# Altium PCB FPv1.3.PcbDoc (part 2 of 2)
Units mil, origin at the board's own origin, x right, y up, seen from the top; angles counter-clockwise.
Board outline 3200 x 2100 mil, 4 copper layers (Top Layer, GROUND PLANE, GROUND PLANE 2, Bottom Layer); 68 components, 152 nets, 617 pads, 312 vias.
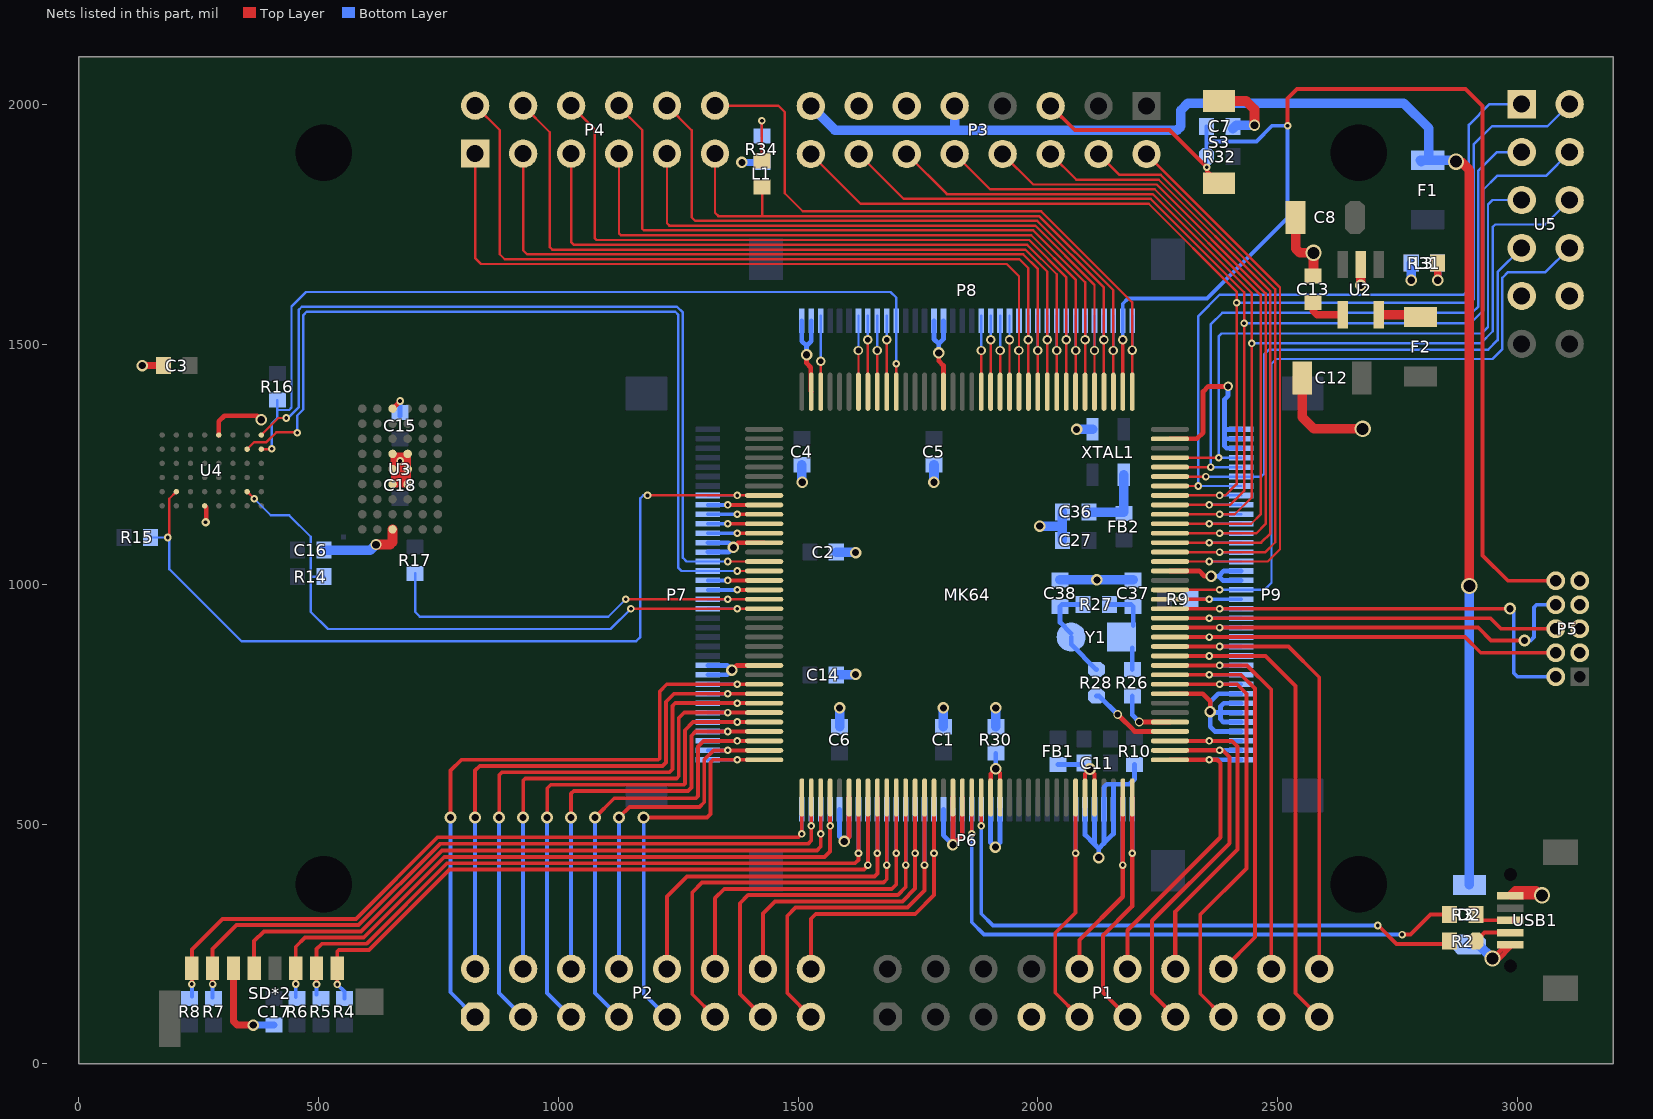
[diagram p4: the nets of this part, all layers, seen from the top]

## Via types
v1: diameter 15.87, hole 7.87, Top Layer to Bottom Layer, tented both sides, 212 vias
v2: diameter 24, hole 15, Top Layer to Bottom Layer, tented both sides, 37 vias
v3: diameter 19.68, hole 11.81, Top Layer to Bottom Layer, tented both sides, 31 vias
v4: diameter 25, hole 15, Top Layer to Bottom Layer, tented both sides, 12 vias
v5: diameter 34, hole 25, Top Layer to Bottom Layer, tented both sides, 11 vias
v6: diameter 18, hole 13, Top Layer to Bottom Layer, tented both sides, 4 vias
v7: diameter 23.62, hole 15.75, Top Layer to Bottom Layer, tented both sides, 3 vias
v8: diameter 17.83, hole 7.87, Top Layer to Bottom Layer, tented both sides, 1 vias
v9: diameter 20, hole 13, Top Layer to Bottom Layer, tented both sides, 1 vias

## Nets (pads, with @x,y where several pads share a name; then routed paths per layer and width w, separated by ;. In a path a pad name is that pad's centre, name@x,y a point inside that pad or via, vN(x,y) a via of type N, cw(c..) or ccw(c..) an arc to the next point about the centre after c; other vN are vias at no path point) (continued)
ANALOG8: MK64.30 P1.9 P6.7 | length 587.4
  Top Layer w8: MK64.30@2078.74,555.28 2078.74,314.96 2036.42,272.64 2036.42,148.23 P1.9@2086.81,97.83
  Bottom Layer w8: v1(2078.74,438.98) 2078.74,479.33 P6.7@2078.74,530.51
ANALOG9: MK64.35 P1.10 P6.2 | length 511
  Top Layer w9: P1.10@2086.81,197.83 2086.81,258.07 2177.16,348.42 MK64.35@2177.16,555.28
  Bottom Layer w9: v1(2177.17,414.37) P6.2@2177.17,530.51
ANALOG10: MK64.36 P1.11 P6.1 | length 595.5
  Top Layer w9: P1.11@2186.81,97.83 2186.61,97.83 2135.83,148.62 2135.83,267.72 2196.85,328.74 MK64.36@2196.85,555.28
  Bottom Layer w9: v1(2196.85,438.98) P6.1@2196.85,530.51
ANALOG11: MK64.37 P1.12 P9.36 | length 684.8
  Top Layer w9: P1.12@2186.81,197.83 2186.81,278.35 2380.91,472.44 2380.91,626.97 2374.02,633.86 MK64.37@2275.43,633.86
  Bottom Layer w9: v1(2357.28,633.86) P9.36@2424.21,633.86
ANALOG12: MK64.38 P1.13 P9.35 | length 804.1
  Top Layer w9: MK64.38@2275.43,653.54 2385.83,653.54 2399.61,639.76 2399.61,459.65 2238.19,298.23 2238.19,146.46 P1.13@2286.81,97.83
  Bottom Layer w9: v1(2378.94,653.54) P9.35@2424.21,653.55
ANALOG13: MK64.39 P1.14 P9.34 | length 730
  Top Layer w9: MK64.39@2275.43,673.23 2404.53,673.23 2416.34,661.42 2416.34,446.85 2286.81,317.32 P1.14@2286.81,197.83
  Bottom Layer w9: v1(2357.28,673.23) P9.34@2424.21,673.23
AVDD: C11.1 FB1.2 MK64.31 MK64.32 | length 177.1
  Top Layer w9: MK64.31@2098.42,555.28 2098.42,604.33 v4(2108.27,614.17) 2118.11,604.33 MK64.32@2118.11,555.28
  Bottom Layer w10: FB1.2@2042.32,624.02 C11.1@2093.5,624.02
BE23_16: MK64.123 P7.22 U4.A1 | length 1797.7
  Top Layer w5: U4.A1@380.91,1311.02 416.34,1346.46 v1(433.07,1346.46) ; v1(1353.35,1047.24) MK64.123@1429.29,1047.24
  Bottom Layer w5: v1(433.07,1346.46) 436.39,1346.46 458.66,1368.73 458.66,1571.85 465.39,1578.58 1247.57,1578.58 1259.84,1566.31 1259.84,1055.12 1267.72,1047.24 P7.22@1312.01,1047.24 v1(1353.35,1047.24)
BE31_24: MK64.124 P7.21 U4.B2 | length 1866.3
  Top Layer w5: U4.B2@351.38,1281.5 366.14,1296.26 391.73,1296.26 412.4,1316.93 454.72,1316.93 v1(455.71,1315.94) ; v1(1373.03,1027.56) MK64.124@1429.29,1027.56
  Bottom Layer w5: v1(455.71,1315.94) 455.71,1351.64 468.66,1364.59 468.66,1561.18 475.39,1567.91 1244.09,1567.91 1249.84,1562.17 1249.84,1034.61 1256.89,1027.56 P7.21@1312.01,1027.56 v1(1373.03,1027.56)
FB_CS2: MK64.125 P7.20 | length 117.3
  Top Layer w8: v1(1353.35,1007.87) MK64.125@1429.29,1007.87
  Bottom Layer w8: P7.20@1312.01,1007.87 v1(1353.35,1007.87)
FB_RW: MK64.116 P7.29 R15.1 U4.G5 | length 1863.2
  Top Layer w5: v1@188.98,1097.44 188.98,1178.15 U4.G5@203.74,1192.91 ; v1(1186.02,1185.04) MK64.116@1429.29,1185.04
  Bottom Layer w5: R15.1@149.61,1097.44 v1(186.02,1097.44) ; v1@188.98,1097.44 188.98,1031.5 339.57,880.91 1162.4,880.91 1171.26,889.76 1171.26,1179.13 1177.17,1185.04 v1(1186.02,1185.04) ; P7.29@1312.01,1185.04 v1(1373.03,1185.04)
FTM0_CH3: MK64.58 P3.2 P9.15 | length 1246.5
  Top Layer w5: P3.2@2226.61,1897.05 2504.92,1618.74 2504.92,1072.83 2479.33,1047.24 MK64.58@2275.43,1047.24
  Bottom Layer w5: v1(2357.28,1047.24) P9.15@2424.21,1047.25
FTM0_CH4: MK64.59 P3.4 P9.14 | length 1285.7
  Top Layer w5: P3.4@2126.61,1897.05 2170.31,1853.35 2256.17,1853.35 2494.92,1614.6 2494.92,1087.44 2474.41,1066.93 MK64.59@2275.43,1066.93
  Bottom Layer w5: v1(2378.94,1066.93) P9.14@2424.21,1066.93
FTM1_QDA: MK64.60 P3.6 P9.13 | length 1365.9
  Top Layer w5: P3.6@2026.61,1897.05 2080.31,1843.35 2252.03,1843.35 2484.92,1610.46 2484.92,1105.98 2465.55,1086.61 MK64.60@2275.43,1086.61
  Bottom Layer w5: v1(2357.28,1086.61) P9.13@2424.21,1086.62
FTM1_QDB: MK64.61 P3.8 P9.12 | length 1402.3
  Top Layer w5: P3.8@1926.61,1897.05 1990.31,1833.35 2247.89,1833.35 2474.92,1606.31 2474.92,1125.51 2455.71,1106.3 MK64.61@2275.43,1106.3
  Bottom Layer w5: v1(2378.94,1106.3) P9.12@2424.21,1106.3
FTM2_QDA: MK64.62 P3.10 P9.11 | length 1500.8
  Top Layer w5: P3.10@1846.06,1897.05 P3.10@1826.61,1897.05 1900.31,1823.35 2243.75,1823.35 2464.92,1602.17 2464.92,1146.02 2444.88,1125.98 MK64.62@2275.43,1125.98
  Bottom Layer w5: v1(2357.28,1125.98) P9.11@2424.21,1125.99
FTM3_CH1: MK64.9 P2.10 P6.28 | length 859.5
  Top Layer w8: P2.10@1226.81,197.83 1226.81,348.86 1268.7,390.75 1659.45,390.75 1665.35,396.65 MK64.9@1665.35,555.28
  Bottom Layer w8: v1(1665.35,438.98) 1665.35,479.33 P6.28@1665.36,530.51
FTM3_CH2: MK64.10 P2.11 P6.27 | length 982.5
  Top Layer w8: P2.11@1326.81,97.83 1279.53,145.12 1279.53,357.28 1299.99,377.75 1677.94,377.75 1685.04,384.84 MK64.10@1685.04,555.28
  Bottom Layer w8: v1(1685.04,414.37) 1685.04,479.33 P6.27@1685.04,530.51
FTM3_CH3: MK64.11 P2.12 P6.26 | length 810.1
  Top Layer w8: P2.12@1326.81,197.83 1326.81,345.35 1346.21,364.75 1695.46,364.75 1704.72,374.02 MK64.11@1704.72,555.28
  Bottom Layer w8: v1(1704.72,438.98) 1704.72,479.33 P6.26@1704.73,530.51
FTM3_CH4: MK64.12 P2.13 P6.25 | length 919.3
  Top Layer w8: P2.13@1426.81,97.83 1378.94,145.71 1378.94,334.65 1396.04,351.75 1708.05,351.75 1724.41,368.11 MK64.12@1724.41,555.28
  Bottom Layer w8: v1(1724.41,414.37) 1724.41,479.33 P6.25@1724.41,530.51
FTM3_CH5: MK64.13 P2.14 P6.24 | length 736.1
  Top Layer w8: P2.14@1426.81,197.83 1426.81,313.62 1451.77,338.58 1717.52,338.58 1744.09,365.16 MK64.13@1744.09,555.28
  Bottom Layer w8: v1(1744.09,438.98) 1744.09,479.33 P6.24@1744.1,530.51
FTM3_CH6: MK64.14 P2.15 P6.23 | length 849.4
  Top Layer w8: P2.15@1526.81,97.83 1477.36,147.28 1477.36,308.07 1494.87,325.58 1728.14,325.58 1763.78,361.22 MK64.14@1763.78,555.28
  Bottom Layer w8: v1(1763.78,414.37) 1763.78,479.33 P6.23@1763.78,530.51
FTM3_CH7: MK64.15 P2.16 P6.22 | length 676.8
  Top Layer w8: P2.16@1526.81,197.83 1526.81,302.4 1536.99,312.58 1744.35,312.58 1783.46,351.69 MK64.15@1783.46,555.28
  Bottom Layer w8: v1(1783.46,438.98) 1783.46,479.33 P6.22@1783.47,530.51
GND: C1.1 C2.1 C3.1 C4.1 C5.1 C6.1 C7.1 C8.2 C12.2 C13.1 C14.2 C15.1 C16.1 C17.1 C18.1 C27.1 C36.1 C37.1 C38.1 MK64.6 MK64.17 MK64.18 MK64.44 MK64.57 MK64.71 MK64.93 MK64.107 MK64.121 MK64.134 P1.7 P1.17 P3.11 P3.13 P5.3 P5.5 P5.7 P5.9 P6.3 P6.4 P6.5 P6.6 P6.15 P6.16 P6.19 P6.20 P6.21 P6.31 P6.32 P7.10 P7.11 P7.23 P7.24 P8.1 P8.2 P8.15 P8.16 P9.1 P9.2 P9.3 P9.16 P9.17 P9.29 P9.30 P9.31 P9.32 P9.33 R10.1 R30.1 R31.1 R34.1 S3.1 SD*2.6 U2.2 U3.A3 U3.D3 U3.D4 U3.E3 U3.E4 U3.F3 U3.F4 U3.J3 U4.D1 U4.E6 U5.9 U5.10 USB1.5 XTAL1.2 | length 5717.9
  Top Layer w10: U4.E6@262.8,1163.39 265.97,1160.21 265.97,1132.11 264.76,1130.91 v8(264.76,1128.94) ; U4.D1@292.32,1311.02 292.32,1339.57 304.13,1351.38 372.05,1351.38 v7(380.91,1342.52) ; U3.F3@654.53,1208.66 U3.F3@659.22,1213.35 ; U3.D3@654.53,1271.65 657.48,1268.7 659.22,1266.96 669.78,1256.4 v1@670.28,1255.91 ; U3.A3@654.53,1366.14 v1(670.28,1381.89) ; U3.E3@657.48,1243.11 U3.E3@654.53,1240.16 659.22,1235.47 670.28,1224.41 ; U3.D4@681.33,1266.96 U3.D4@686.02,1271.65 ; v2(1362.2,820.87) 1372.05,830.71 MK64.134@1429.29,830.71 ; v2(1365.16,1076.77) 1375,1086.61 MK64.121@1429.29,1086.61 ; v2(1517.72,1478.35) 1517.72,1460.63 1526.57,1451.77 1526.57,1402.4 MK64.107@1527.56,1401.42 ; v2(1596.46,463.58) 1606.3,473.43 MK64.6@1606.3,555.28 ; v2(1793.31,1482.28) 1793.31,1465.55 1803.15,1455.71 MK64.93@1803.15,1401.42 ; MK64.17@1822.83,555.28 v2(1822.83,456.69) 1842.52,476.37 MK64.18@1842.52,555.28 ; MK64.44@2275.43,771.65 2343.5,771.65 2359.25,755.91 v2(2359.25,734.25) ; MK64.57@2275.43,1027.56 2336.61,1027.56 2347.44,1016.73 v2(2361.22,1016.73) ; MK64.71@2275.43,1303.15 2331.69,1303.15 2344.49,1315.94 2344.49,1401.57 2355.31,1412.4 v9(2396.65,1412.4)
  Top Layer w15: v2(132.87,1455.71) C3.1@177.17,1455.71 ; SD*2.6@322.72,199.29 322.72,88.7 330.71,80.71 v2(364.17,80.71) ; U3.F3@654.53,1208.66 U3.F4@686.02,1208.66 ; U3.D3@657.48,1268.7 U3.E3@657.48,1243.11 ; U3.E3@659.22,1235.47 659.22,1213.35 670.28,1224.41 ; U3.D3@659.22,1266.96 681.33,1266.96 v1@670.28,1255.91 ; U3.D4@686.02,1271.65 U3.E4@686.02,1240.16 ; v5@3050.2,350.39 USB1.5@2985.24,350.39 2985.24,353.35 2995.08,363.19 3039.37,363.19 v5(3051.18,351.38) ; U3.E3@657.48,1243.11 660.43,1240.16 U3.E4@686.02,1240.16 ; U3.E3@657.48,1243.11 v1@670.28,1255.91 ; 670.28,1224.41 U3.F4@686.02,1208.66 ; 670.28,1224.41 U3.E4@686.02,1240.16 ; v1@670.28,1255.91 U3.E4@686.02,1240.16 ; U3.F4@686.02,1208.66 U3.E4@686.02,1240.16
  Top Layer w20: v7(620.08,1082.68) 649.61,1082.68 654.53,1087.6 U3.J3@654.53,1114.17 ; S3.1@2377.95,2007.52 2434.41,2007.52 2451.77,1990.16 v7(2451.77,1956.69) ; C8.2@2537.4,1764.76 2537.4,1699.8 2546.26,1690.94 v5(2574.8,1690.94) C13.1@2574.8,1643.7 ; C12.2@2551.18,1430.12 2551.18,1348.43 2575.79,1323.82 v5(2677.17,1323.82) ; v2(2673.23,1623.03) U2.2@2673.23,1666.5
  Bottom Layer w10: C15.1@670.28,1350.39 v1(670.28,1381.89) ; P7.10@1312.01,811.02 1352.36,811.02 v2(1362.2,820.87) 1352.36,830.71 P7.11@1312.01,830.71 ; P7.23@1312.01,1066.93 1355.31,1066.93 v2(1365.16,1076.77) 1355.32,1086.61 P7.24@1312.01,1086.61 ; P8.1@1507.87,1549.21 1507.87,1506.89 1517.72,1497.05 ; v2(1517.72,1478.35) 1517.72,1497.05 ; P8.2@1527.56,1549.21 1527.56,1506.89 1517.72,1497.05 ; P6.32@1586.62,530.51 1586.62,473.42 v2(1596.46,463.58) 1606.3,473.43 P6.31@1606.3,530.51 ; P8.15@1783.46,1549.21 1783.46,1510.83 1793.31,1500.98 ; v2(1793.31,1482.28) 1793.31,1500.98 ; P6.21@1803.15,530.51 1803.15,476.38 v2(1822.83,456.69) ; P8.16@1803.15,1549.21 1802.99,1549.06 1802.99,1510.67 1793.31,1500.98 ; P6.20@1822.84,530.51 v2(1822.83,456.69) ; P6.19@1842.52,530.51 1842.52,476.38 v2(1822.83,456.69) ; P6.16@1901.58,530.51 1901.58,461.61 v2(1911.42,451.77) 1921.26,461.62 P6.15@1921.26,530.51 ; P6.6@2098.43,530.51 2098.43,477.36 2118.11,457.68 ; P6.5@2118.11,530.51 2118.11,457.68 ; v2(2126.97,430.12) 2126.97,448.82 ; 2157.48,578.74 P6.3@2157.48,530.51 2157.48,479.33 2137.8,459.65 ; R10.1@2201.77,624.02 2201.77,593.5 2190.94,582.68 2143.7,582.68 2137.8,576.77 P6.4@2137.8,530.51 2137.8,459.65 ; v2@2361.22,732.29 2380.91,732.29 ; v2(2361.22,1016.73) 2376.97,1016.73 ; v9(2396.65,1412.4) 2396.65,1392.72 2389.47,1385.53 2389.47,1326.08 ; P9.33@2424.21,692.92 2369.09,692.92 2359.25,702.76 v2(2359.25,734.25) 2359.25,754.92 2375.99,771.66 P9.29@2424.21,771.66 ; P9.32@2424.21,712.6 2386.81,712.6 2380.91,718.5 2380.91,732.29 ; P9.31@2424.21,732.29 2380.91,732.29 ; P9.30@2424.21,751.97 2387.8,751.97 2380.91,745.08 2380.91,732.29 ; P9.17@2424.21,1007.88 2385.83,1007.88 2376.97,1016.73 ; P9.16@2424.21,1027.56 2387.8,1027.56 2376.97,1016.73 ; P9.3@2424.21,1283.47 2393.4,1283.47 2389.47,1287.4 2389.47,1306.4 ; P9.2@2424.21,1303.15 2392.72,1303.15 2389.47,1306.4 ; P9.1@2424.21,1322.84 2392.72,1322.84 2389.47,1326.08 ; 2118.11,457.68 2126.97,448.82 ; 2126.97,448.82 2137.8,459.65 ; 2389.47,1306.4 2389.47,1326.08
  Bottom Layer w15: v2(364.17,80.71) C17.1@407.48,80.71 ; C18.1@670.28,1234.25 v1(670.28,1256.89) ; v2(1382.87,1879.41) R34.1@1424.7,1879.41
  Bottom Layer w20: C16.1@506.89,1070.87 608.27,1070.87 v7(620.08,1082.68) ; v2@1507.87,1212.6 C4.1@1507.87,1249.02 ; C14.2@1579.72,811.02 v2@1619.09,811.02 ; C2.1@1579.72,1066.93 v2@1619.09,1066.93 ; C6.1@1586.61,702.76 v2(1586.61,742.13) ; v2(1783.46,1212.6) C5.1@1783.46,1249.02 ; C1.1@1803.15,702.76 v2(1803.15,742.13) ; R30.1@1912.4,702.76 v2(1912.4,742.13) ; v2(2003.94,1121.06) 2051.18,1121.06 ; C38.1@2046.26,1008.86 C37.1@2198.82,1008.86 ; C27.1@2051.18,1091.54 2051.18,1121.06 ; C36.1@2051.18,1150.59 2051.18,1121.06 ; v2(2080.71,1322.84) XTAL1.2@2114.15,1322.84 ; C7.1@2406.5,1949.8 2413.39,1956.69 v7(2451.77,1956.69) ; v2(2778.54,1633.86) R31.1@2778.54,1669.29
  other v2: 1620.08,812.01 2123.03,1008.86 1620.08,1065.94 1508.86,1212.6
JTAG_TCK: MK64.50 P5.4 P9.23 | length 885
  Top Layer w8: MK64.50@2275.43,889.76 2890.75,889.76 2923.43,857.09 P5.4@3079.92,857.09
  Bottom Layer w8: v1(2357.28,889.76) P9.23@2424.21,889.77
JTAG_TDI: MK64.51 P5.8 P9.22 | length 927.8
  Top Layer w8: MK64.51@2275.43,909.45 2918.31,909.45 2944.88,882.87 v4(3014.76,882.87)
  Bottom Layer w8: v1(2378.94,909.45) P9.22@2424.21,909.45 ; v4(3014.76,882.87) 3027.56,882.87 3034.45,889.76 3034.45,951.77 3039.76,957.09 P5.8@3079.92,957.09
JTAG_TDO: MK64.52 P5.6 P9.21 | length 880.6
  Top Layer w8: MK64.52@2275.43,929.13 2943.9,929.13 2965.94,907.09 P5.6@3079.92,907.09
  Bottom Layer w8: v1(2357.28,929.13) P9.21@2424.21,929.14
JTAG_TMS: MK64.53 P5.2 P9.20 | length 982.3
  Top Layer w8: MK64.53@2275.43,948.82 v4(2984.25,948.82)
  Bottom Layer w8: v1(2378.94,948.82) P9.20@2424.21,948.82 ; v4(2984.25,948.82) 2992.13,940.94 2992.13,814.96 3000,807.09 P5.2@3079.92,807.09
LPTMR0: MK64.73 P4.12 P8.36 | length 1397.2
  Top Layer w5: P4.12@1326.81,1997.83 1458.86,1997.83 1472.44,1984.25 1472.44,1814.96 1509.84,1777.56 2006.89,1777.56 2196.85,1587.6 MK64.73@2196.85,1401.42
  Bottom Layer w5: v3@2196.85,1488.19 P8.36@2196.85,1560.04
  other v3: 2196.85,1488.19
N_RST: C7.2 MK64.74 P3.5 P5.10 P8.35 R32.2 S3.2 | length 3086.1
  Top Layer w5: v3(2177.17,1509.89) v3@2177.17,1513.78
  Top Layer w8: P3.5@2026.61,1997.05 2076.81,1946.85 2274.61,1946.85 v1(2352.36,1869.09) 2352.36,1861.85 S3.2@2377.95,1836.26 ; MK64.74@2177.16,1401.42 v3(2177.17,1509.89) ; v1(2520.67,1955.71) 2520.67,2012.8 2540.35,2032.48 2891.73,2032.48 2927.17,1997.05 2927.17,1060.04 2980.12,1007.09 P5.10@3079.92,1007.09
  Bottom Layer w5: R32.2@2351.38,1896.46 2351.14,1896.22 2352.36,1895 v1(2352.36,1869.09)
  Bottom Layer w8: v3(2177.17,1509.89) P8.35@2177.16,1549.21 2177.16,1584.64 2187.99,1595.47 2352.36,1595.47 2520.67,1763.78 v1(2520.67,1955.71) 2488.19,1955.71 2455.61,1923.13 2351.38,1923.13 ; R32.2@2351.38,1896.46 2351.38,1923.13 ; C7.2@2351.38,1954.72 2351.38,1923.13
NetC13_2: C13.2 U2.4 | length 65.3
  Top Layer w15: 2573.82,1569.88 2581.85,1561.85 U2.4@2635.83,1561.85
NetC36_2: C36.2 FB2.2 XTAL1.4 | length 151.5
  Bottom Layer w20: C36.2@2106.3,1149.61 2179.13,1149.61 XTAL1.4@2179.13,1228.32
NetC37_2: C37.2 R26.1 R27.1 Y1.1 | length 130.7
  Bottom Layer w10: R27.1@2149.61,957.68 C37.2@2194.88,957.68 ; R26.1@2196.85,821.85 Y1.1@2196.85,867.52 ; Y1.1@2198.82,913.98 C37.2@2198.82,953.74
NetC38_2: C38.2 R27.2 R28.1 Y1.2 | length 199.5
  Bottom Layer w10: C38.2@2046.26,953.74 2046.26,920.28 Y1.2@2068.9,897.64 ; C38.2@2050.2,957.68 R27.2@2094.49,957.68 ; Y1.2@2069.49,889.76 2069.49,874.41 R28.1@2122.05,821.85
NetF2_1: F2.1 U2.5 | length 82.8
  Top Layer w20: U2.5@2710.63,1561.85 F2.1@2793.46,1561.85
NetL1_2: L1.2 R34.2 | length 114.7
  Top Layer w5: L1.2@1424.7,1882.87 v1(1424.7,1966.05)
  Bottom Layer w5: R34.2@1424.7,1934.53 v1(1424.7,1966.05)
NetL3_2: L3.2 R31.2 | length 70.9
  Top Layer w15: v2(2833.66,1633.86) L3.2@2833.66,1669.29
  Bottom Layer w15: v2(2833.66,1633.86) R31.2@2833.66,1669.29
NetMK64_21: MK64.21 MK64.22 R30.2 | length 160.4
  Top Layer w9: MK64.21@1901.57,555.28 1901.57,604.33 v2(1912.4,615.16) 1921.26,606.3 MK64.22@1921.26,555.28
  Bottom Layer w9: v2(1912.4,615.16) R30.2@1912.4,647.64
NetMK64_40: MK64.40 R28.2 | length 184
  Top Layer w10: v6(2166.34,728.35) 2201.77,692.91 MK64.40@2275.43,692.91
  Bottom Layer w10: R28.2@2122.05,766.73 2127.95,766.73 v6(2166.34,728.35)
NetMK64_41: MK64.41 R26.2 | length 124.1
  Top Layer w10: v6(2211.61,712.6) MK64.41@2275.43,712.6
  Bottom Layer w10: R26.2@2196.85,766.73 2196.85,727.36 v6(2211.61,712.6)
NetR2_2: R2.2 USB1.2 | length 79.2
  Top Layer w8: R2.2@2913.39,255.91 2931.1,273.62 USB1.2@2985.24,273.62
NetR3_2: R3.2 USB1.3 | length 76.7
  Top Layer w8: R3.2@2913.39,311.02 2925.2,299.21 USB1.3@2985.24,299.21
PTA4: MK64.54 P9.19 R9.2 | length 187.2
  Top Layer w8: MK64.54@2275.43,968.5 v1(2357.28,968.5)
  Bottom Layer w8: R9.2@2318.9,968.5 v1(2357.28,968.5) P9.19@2424.21,968.51
PTA5: MK64.55 P9.18 U5.8 | length 1483.3
  Top Layer w5: MK64.55@2275.43,988.19 v1(2378.94,988.19)
  Bottom Layer w5: v1(2378.94,988.19) P9.18@2424.21,988.19 2472.44,988.19 2487.2,1002.95 2487.2,1459.65 2497.05,1469.49 2947.83,1469.49 2968.62,1490.28 2968.62,1638.9 2980.31,1650.59 3058.46,1650.59 U5.8@3108.86,1700.98
PTA11: MK64.63 P3.12 P9.10 U5.6 | length 2410
  Top Layer w5: P3.12@1726.61,1897.05 1810.31,1813.35 2239.6,1813.35 2445.87,1607.08 2445.87,1181.1 2410.43,1145.67 MK64.63@2275.43,1145.67
  Bottom Layer w5: v1(2378.94,1145.67) P9.10@2424.21,1145.67 ; v1(2445.87,1501.97) 2923.23,1501.97 2948.62,1527.36 2948.62,1744.88 2953.74,1750 3057.87,1750 U5.6@3108.86,1800.98
PTA12: MK64.64 P3.14 P9.9 U5.4 | length 2544.9
  Top Layer w5: P3.14@1626.61,1897.05 1720.31,1803.35 2235.46,1803.35 2430.12,1608.69 2430.12,1194.52 2400.95,1165.35 MK64.64@2275.43,1165.35
  Bottom Layer w5: v1(2357.28,1165.35) P9.9@2424.21,1165.36 ; v1(2430.12,1544.29) 2902.56,1544.29 2928.62,1570.35 2928.62,1822.32 2957.68,1851.38 3059.25,1851.38 U5.4@3108.86,1900.98
PTA13: MK64.65 P3.16 P9.8 U5.2 | length 2657.4
  Top Layer w5: P3.16@1526.61,1897.05 1630.31,1793.35 2231.32,1793.35 2414.37,1610.3 2414.37,1208.66 2390.75,1185.04 MK64.65@2275.43,1185.04
  Bottom Layer w5: v1(2378.94,1185.04) P9.8@2424.21,1185.04 ; v1(2414.37,1586.61) 2901.57,1586.61 2908.62,1593.66 2908.62,1916.5 2946.85,1954.72 3062.6,1954.72 U5.2@3108.86,2000.98
PTA14: MK64.66 P9.7 U5.1 | length 1561.6
  Top Layer w5: MK64.66@2275.43,1204.72 v1(2334.65,1204.72)
  Bottom Layer w5: P9.7@2424.21,1204.73 v1(2334.65,1204.72) 2334.65,1559.06 2378.94,1603.35 2887.8,1603.35 2898.62,1614.17 2898.62,1957.68 2941.93,2000.98 U5.1@3008.86,2000.98
PTA15: MK64.67 P9.6 U5.7 | length 1159.8
  Top Layer w5: MK64.67@2275.43,1224.41 v1(2350.39,1224.41)
  Bottom Layer w5: v1(2350.39,1224.41) 2465.9,1224.41 2472.44,1230.94 2472.44,1479.96 2481.65,1489.17 2938.98,1489.17 2958.62,1508.82 2958.62,1650.75 U5.7@3008.86,1700.98
PTA16: MK64.68 P9.5 U5.3 | length 1409.7
  Top Layer w5: MK64.68@2275.43,1244.09 v1@2360.35,1244.09
  Bottom Layer w5: P9.5@2424.21,1244.1 2360.41,1244.1 v1(2360.35,1244.16) 2360.34,1541.44 2384.84,1565.94 2905.51,1565.94 2918.62,1579.06 2918.62,1862.52 2957.09,1900.98 U5.3@3008.86,1900.98
PTA17: MK64.69 P9.4 U5.5 | length 1303.5
  Top Layer w5: MK64.69@2275.43,1263.78 v1(2376.97,1263.78)
  Bottom Layer w5: v1@2378.56,1265.38 v1(2376.97,1263.78) ; P9.4@2424.21,1263.78 v1(2376.97,1263.78) ; U5.5@3008.86,1800.98 2947.64,1800.98 2938.62,1791.97 2938.62,1536.06 2925.2,1522.64 2382.87,1522.64 2376.97,1516.73 v1(2376.97,1263.78)
PTA24: L1.1 MK64.75 P4.11 P8.34 | length 1364.4
  Top Layer w5: P4.11@1326.81,1897.83 1326.81,1774.57 1333.82,1767.56 2002.75,1767.56 2157.48,1612.83 MK64.75@2157.48,1401.42 ; 1425.2,1768.54 L1.1@1425.2,1827.76
  Bottom Layer w5: v3(2157.48,1487.2) P8.34@2157.48,1560.04
PTA25: MK64.76 P4.10 P8.33 | length 1441.5
  Top Layer w5: P4.10@1226.81,1997.83 1278.54,1946.1 1278.54,1764.76 1285.75,1757.56 1998.61,1757.56 2137.79,1618.37 v3(2137.79,1509.89) MK64.76@2137.79,1401.42
  Bottom Layer w5: v3(2137.79,1509.89) P8.33@2137.79,1560.04
PTA26: MK64.77 P4.9 P8.32 | length 1385.2
  Top Layer w5: P4.9@1226.81,1897.83 1226.81,1752.52 1231.77,1747.56 1994.46,1747.56 2118.11,1623.91 MK64.77@2118.11,1401.42
  Bottom Layer w5: v3(2118.11,1487.2) P8.32@2118.11,1560.04
PTA27: MK64.78 P4.8 P8.31 | length 1524.4
  Top Layer w5: P4.8@1126.81,1997.83 1126.81,1995.24 1175.2,1946.85 1175.2,1741.14 1178.78,1737.56 1990.32,1737.56 2098.42,1629.46 v3(2098.42,1509.89) MK64.78@2098.42,1401.42
  Bottom Layer w5: v3(2098.42,1509.89) P8.31@2098.42,1560.04
PTA28: MK64.79 P4.7 P8.30 | length 1464.7
  Top Layer w5: P4.7@1126.81,1897.83 1126.81,1731.46 1130.71,1727.56 1986.18,1727.56 2078.74,1635 MK64.79@2078.74,1401.42
  Bottom Layer w5: v3(2078.74,1487.2) P8.30@2078.74,1560.04
PTA29: MK64.80 P4.6 P8.29 | length 1602.7
  Top Layer w5: P4.6@1026.81,1997.83 1075.79,1948.86 1075.79,1721.46 1079.68,1717.56 1982.04,1717.56 2059.05,1640.54 v3(2059.05,1509.89) MK64.80@2059.05,1401.42
  Bottom Layer w5: v3(2059.05,1509.89) P8.29@2059.05,1560.04
PTB0: MK64.81 P4.5 P8.28 | length 1542.4
  Top Layer w5: P4.5@1026.81,1897.83 1026.81,1713.35 1032.6,1707.56 1977.9,1707.56 2039.37,1646.08 MK64.81@2039.37,1401.42
  Bottom Layer w5: v3(2039.37,1487.2) P8.28@2039.37,1560.04
PTB1: MK64.82 P4.4 P8.27 | length 1677
  Top Layer w5: P4.4@926.81,1997.83 982.28,1942.36 982.28,1702.76 987.48,1697.56 1973.75,1697.56 2019.68,1651.63 MK64.82@2019.68,1401.42
  Bottom Layer w5: v3(2019.69,1509.89) P8.27@2019.68,1560.04
PTB2: MK64.83 P4.3 P8.26 | length 1619.6
  Top Layer w5: P4.3@926.81,1897.83 926.81,1696.22 935.47,1687.56 1969.61,1687.56 2000,1657.17 MK64.83@2000,1401.42
  Bottom Layer w5: v3(2000,1487.2) P8.26@2000,1560.04
PTB3: MK64.84 P4.2 P8.25 | length 1753
  Top Layer w5: P4.2@826.81,1997.83 877.95,1946.69 877.95,1687.99 888.39,1677.56 1961.61,1677.56 1980.31,1658.86 v3(1980.31,1509.89) MK64.84@1980.31,1401.42
  Bottom Layer w5: v3(1980.31,1509.89) P8.25@1980.31,1560.04
PTB4: MK64.85 P4.1 P8.24 | length 1680.7
  Top Layer w5: P4.1@826.81,1897.83 826.81,1680.08 839.33,1667.56 1935.04,1667.56 1960.63,1641.97 MK64.85@1960.63,1401.42
  Bottom Layer w5: v3(1960.63,1487.2) P8.24@1960.63,1560.04
PTB5: MK64.86 P8.23 | length 158.6
  Top Layer w5: MK64.86@1940.94,1401.42 v3(1940.94,1509.89)
  Bottom Layer w5: v3(1940.94,1509.89) P8.23@1940.94,1560.04
PTB6: MK64.87 P8.22 | length 158.6
  Top Layer w5: MK64.87@1921.26,1401.42 v3(1921.26,1487.2)
  Bottom Layer w5: v3(1921.26,1487.2) P8.22@1921.26,1560.04
PTB7: MK64.88 P8.21 | length 158.6
  Top Layer w5: MK64.88@1901.57,1401.42 v3(1901.57,1509.89)
  Bottom Layer w5: v3(1901.57,1509.89) P8.21@1901.57,1560.04
PTB8: MK64.89 P8.20 | length 158.6
  Top Layer w5: MK64.89@1881.89,1401.42 v3(1881.89,1487.2)
  Bottom Layer w5: v3(1881.89,1487.2) P8.20@1881.89,1560.04
PTB19: MK64.98 P8.11 R16.1 U4.A2 | length 1848
  Top Layer w5: U4.A2@380.91,1281.5 v1@401.57,1281.5 ; MK64.98@1704.72,1401.42 v1(1704.72,1459.65)
  Bottom Layer w5: v1(402.56,1282.48) 402.56,1334.82 414.37,1346.63 414.37,1363.28 ; R16.1@414.37,1383.86 414.37,1363.28 ; v1@1704.72,1464.19 v1(1704.72,1459.65) 1704.72,1597.44 1692.91,1609.25 474.41,1609.25 443.9,1578.74 443.9,1368.11 439.06,1363.28 414.37,1363.28
PTB20: MK64.99 P8.10 | length 158.6
  Top Layer w5: MK64.99@1685.04,1401.42 v3(1685.04,1509.89)
  Bottom Layer w5: v3(1685.04,1509.89) P8.10@1685.04,1560.04
PTB21: MK64.100 P8.9 | length 158.6
  Top Layer w5: MK64.100@1665.35,1401.42 v3(1665.35,1487.2)
  Bottom Layer w5: v3(1665.35,1487.2) P8.9@1665.35,1560.04
PTB22: MK64.101 P8.8 | length 158.6
  Top Layer w5: MK64.101@1645.67,1401.42 v3(1645.67,1509.89)
  Bottom Layer w5: v3(1645.67,1509.89) P8.8@1645.67,1560.04
PTB23: MK64.102 P8.7 | length 158.6
  Top Layer w5: MK64.102@1625.98,1401.42 v3(1625.98,1487.2)
  Bottom Layer w5: v3(1625.98,1487.2) P8.7@1625.98,1560.04
PTC3: MK64.106 P8.3 | length 158.6
  Top Layer w5: MK64.106@1547.24,1401.42 v3(1547.24,1464.57)
  Bottom Layer w5: v3(1547.24,1464.57) P8.3@1547.24,1560.04
PTC12: MK64.117 P7.28 | length 117.3
  Top Layer w8: v1(1353.35,1165.35) MK64.117@1429.29,1165.35
  Bottom Layer w8: P7.28@1312.01,1165.35 v1(1353.35,1165.35)
PTC13: MK64.118 P7.27 | length 117.3
  Top Layer w8: v1(1373.03,1145.67) MK64.118@1429.29,1145.67
  Bottom Layer w8: P7.27@1312.01,1145.67 v1(1373.03,1145.67)
PTC14: MK64.119 P7.26 | length 117.3
  Top Layer w8: v1(1353.35,1125.98) MK64.119@1429.29,1125.98
  Bottom Layer w8: P7.26@1312.01,1125.98 v1(1353.35,1125.98)
PTC15: MK64.120 P7.25 | length 117.3
  Top Layer w8: v1(1373.03,1106.3) MK64.120@1429.29,1106.3
  Bottom Layer w8: P7.25@1312.01,1106.3 v1(1373.03,1106.3)
PTC19: MK64.126 P7.19 | length 117.3
  Top Layer w8: v1(1373.03,988.19) MK64.126@1429.29,988.19
  Bottom Layer w8: P7.19@1312.01,988.19 v1(1373.03,988.19)
PTD0: MK64.127 P7.18 R17.1 | length 868.7
  Top Layer w5: v1(1140.75,968.5) MK64.127@1429.29,968.5
  Bottom Layer w5: R17.1@701.77,1022.64 701.77,941.93 711.61,932.09 1104.33,932.09 v1(1140.75,968.5) ; P7.18@1312.01,968.5 v1(1353.35,968.5)
PTD1: MK64.128 P7.17 R14.1 U4.B5 | length 1394.7
  Top Layer w5: U4.B5@351.38,1192.91 v1(366.15,1178.15) ; v1(1151.57,948.82) MK64.128@1429.29,948.82
  Bottom Layer w5: v1(366.15,1178.15) 400.59,1143.7 438.98,1143.7 483.88,1098.8 483.88,942.3 519.68,906.5 1109.25,906.5 v1(1151.57,948.82) ; 483.88,1015.75 R14.1@511.81,1015.75 ; P7.17@1312.01,948.82 v1(1373.03,948.82)
PTD7: MK64.136 P2.1 P7.9 | length 1405.8
  Top Layer w8: v4(775.59,513.78) 775.59,611.22 798.23,633.86 1208.66,633.86 1211.61,636.81 1211.61,776.57 1226.38,791.34 MK64.136@1429.29,791.34
  Bottom Layer w8: v4(775.59,513.78) 775.59,149.05 P2.1@826.81,97.83 ; P7.9@1312.01,791.34 v1(1373.03,791.34)
PTD8: MK64.137 P2.2 P7.8 | length 1197.9
  Top Layer w8: v4(826.81,513.78) 826.81,611.26 836.41,620.86 1217.31,620.86 1224.61,628.16 1224.61,754.81 1241.46,771.65 v1(1353.35,771.65) MK64.137@1429.29,771.65
  Bottom Layer w8: P2.2@826.81,197.83 v4(826.81,513.78) ; P7.8@1312.01,771.65 v1(1353.35,771.65)
PTD9: MK64.138 P2.3 P7.7 | length 1277.8
  Top Layer w8: v4@876.98,513.78 876.98,602.37 882.46,607.86 1231.87,607.86 1238.19,614.17 1238.19,746.06 1244.09,751.97 v1(1373.03,751.97) MK64.138@1429.29,751.97
  Bottom Layer w8: v4(876.81,513.78) 876.81,147.83 P2.3@926.81,97.83 ; P7.7@1312.01,751.97 v1(1373.03,751.97)
PTD10: MK64.139 P2.4 P7.6 | length 1065.8
  Top Layer w8: v4@927.15,513.78 927.15,590.54 931.47,594.86 1246.43,594.86 1251.19,599.61 1251.19,720.68 1262.8,732.28 v1(1353.35,732.28) MK64.139@1429.29,732.28
  Bottom Layer w8: P2.4@926.81,197.83 v4(926.81,513.78) ; P7.6@1312.01,732.28 v1(1353.35,732.28)
PTD11: MK64.140 P2.5 P7.5 | length 1133.1
  Top Layer w8: v4@977.07,513.78 977.07,574.51 984.42,581.86 1261.98,581.86 1264.19,584.07 1264.19,695.57 1281.22,712.6 MK64.140@1429.29,712.6
  Bottom Layer w8: v4(976.81,513.78) 976.81,147.83 P2.5@1026.81,97.83 ; P7.5@1312.01,712.6 v1(1373.03,712.6)
PTD12: MK64.141 P2.6 P7.4 | length 926.4
  Top Layer w8: v4(1026.81,513.78) 1026.81,563.23 1032.44,568.86 1270.63,568.86 1277.56,575.79 1277.56,684.06 1286.42,692.91 MK64.141@1429.29,692.91
  Bottom Layer w8: P2.6@1026.81,197.83 v4(1026.81,513.78) ; P7.4@1312.01,692.91 v1(1353.35,692.91)
PTD13: MK64.142 P2.7 P7.3 | length 976.7
  Top Layer w8: v4(1076.81,513.78) 1116.67,553.64 1286.91,553.64 1291.34,558.07 1291.34,661.42 1303.15,673.23 MK64.142@1429.29,673.23
  Bottom Layer w8: v4(1076.81,513.78) 1076.81,147.83 P2.7@1126.81,97.83 ; P7.3@1312.01,673.23 v1(1373.03,673.23)
PTD14: MK64.143 P2.8 P7.2 | length 769.9
  Top Layer w8: v4(1126.97,513.78) 1126.81,513.94 1148.31,535.43 1294.29,535.43 1304.34,545.48 1304.34,634.38 1323.5,653.54 MK64.143@1429.29,653.54
  Bottom Layer w8: P2.8@1126.81,197.83 v4@1126.81,513.78 ; P7.2@1312.01,653.54 v1(1353.35,653.54)
PTD15: MK64.144 P2.9 P7.1 | length 860.9
  Top Layer w8: v4(1178.15,513.78) 1310.04,513.78 1317.34,521.08 1317.34,628.36 1322.83,633.86 MK64.144@1429.29,633.86
  Bottom Layer w8: v4(1178.15,513.78) 1178.15,146.5 P2.9@1226.81,97.83 ; P7.1@1312.01,633.86 v1(1373.03,633.86)
PTE0: MK64.1 P6.36 R8.2 SD*2.8 | length 1596.3
  Top Layer w8: v1(236.1,166.22) SD*2.8@236.1,199.29 236.1,238.07 300.2,302.17 578.35,302.17 748.63,472.44 1500.98,472.44 v1(1507.88,479.33) MK64.1@1507.87,555.28
  Bottom Layer w8: R8.2@236.1,140.63 v1(236.1,166.22) ; v1(1507.88,479.33) P6.36@1507.88,530.51
PTE1: MK64.2 P6.35 R7.2 SD*2.7 | length 1567.3
  Top Layer w8: v1(279.41,166.22) SD*2.7@279.41,199.29 279.41,239.06 329.52,289.17 583.74,289.17 753.23,458.66 1520.67,458.66 1527.56,465.55 MK64.2@1527.56,555.28
  Bottom Layer w8: R7.2@279.41,137.91 v1(279.41,166.22) ; v1(1527.56,496.06) P6.35@1527.56,530.51
PTE2: MK64.3 P6.34 SD*2.5 | length 1473
  Top Layer w8: SD*2.5@366.02,199.29 366.02,255.79 386.4,276.17 589.12,276.17 757.84,444.88 1539.37,444.88 1547.24,452.76 MK64.3@1547.24,555.28
  Bottom Layer w8: v1(1547.24,479.33) P6.34@1547.25,530.51
PTE3: MK64.4 P6.33 R6.2 SD*2.3 | length 1448.6
  Top Layer w8: v1(452.64,166.46) SD*2.3@452.64,199.29 452.64,243.98 471.83,263.17 594.51,263.17 762.44,431.1 1555.12,431.1 1566.93,442.91 MK64.4@1566.93,555.28
  Bottom Layer w8: R6.2@452.64,138.9 v1(452.64,166.46) ; v1(1566.93,496.06) P6.33@1566.93,530.51
PTE4: MK64.7 P6.30 R5.2 SD*2.2 | length 1523
  Top Layer w8: v1(495.94,165.47) SD*2.2@495.94,199.29 495.94,239.06 507.06,250.17 599.89,250.17 767.83,418.1 1618.89,418.1 1625.98,425.2 MK64.7@1625.98,555.28
  Bottom Layer w8: R5.2@495.94,144.8 v1(495.94,165.47) ; v1(1625.98,438.98) 1625.98,479.33 P6.30@1625.99,530.51
PTE5: MK64.8 P6.29 R4.2 SD*2.1 | length 1543.2
  Top Layer w8: v1(539.25,165.47) SD*2.1@539.25,199.29 539.25,234.13 542.28,237.17 605.28,237.17 773.21,405.1 1637.39,405.1 1645.67,413.39 MK64.8@1645.67,555.28
  Bottom Layer w8: v1(539.25,165.47) 554.13,150.59 R4.2@554.13,135.83 ; v1(1645.67,414.37) 1645.67,479.33 P6.29@1645.67,530.51
PTE24: MK64.45 P1.15 P9.28 | length 946.8
  Top Layer w8: MK64.45@2275.43,791.34 2415.35,791.34 2435.04,771.65 2435.04,407.48 2338.58,311.02 2338.58,146.06 P1.15@2386.81,97.83
  Bottom Layer w8: v1(2378.94,791.34) P9.28@2424.21,791.34
PTE25: MK64.46 P1.16 P9.27 | length 868
  Top Layer w8: MK64.46@2275.43,811.02 2424.21,811.02 2452.76,782.48 2452.76,263.78 P1.16@2386.81,197.83
  Bottom Layer w8: v1(2357.28,811.02) P9.27@2424.21,811.03
PTE26: MK64.47 P1.18 P9.26 | length 859.8
  Top Layer w8: MK64.47@2275.43,830.71 2436.02,830.71 2486.81,779.92 P1.18@2486.81,197.83
  Bottom Layer w8: v1(2378.94,830.71) P9.26@2424.21,830.71
PTE27: MK64.48 P1.19 P9.25 | length 1065
  Top Layer w8: MK64.48@2275.43,850.39 2474.41,850.39 2537.4,787.4 2537.4,147.24 P1.19@2586.81,97.83
  Bottom Layer w8: v1(2357.28,850.39) P9.25@2424.21,850.4
PTE28: MK64.49 P1.20 P9.24 | length 991.3
  Top Layer w8: MK64.49@2275.43,870.08 2522.64,870.08 2586.81,805.91 P1.20@2586.81,197.83
  Bottom Layer w8: v1(2378.94,870.08) P9.24@2424.21,870.08
USB1D_N: MK64.20 P6.17 R2.1 | length 1281.4
  Top Layer w8: v1(1881.89,496.06) MK64.20@1881.89,555.28 ; v1@2709.04,288.77 2747.81,250 2852.36,250 R2.1@2858.27,255.91
  Bottom Layer w8: P6.17@1881.89,530.51 v1(1881.89,496.06) 1881.89,312.99 1906.5,288.39 v1(2708.66,288.39)
USB1D_P: MK64.19 P6.18 R3.1 | length 1335.2
  Top Layer w8: v1(1862.21,479.33) MK64.19@1862.2,555.28 ; v1(2759.42,269.4) 2777.28,269.4 2818.9,311.02 R3.1@2858.27,311.02
  Bottom Layer w8: P6.18@1862.21,530.51 v1(1862.21,479.33) 1862.21,295.27 1888.08,269.4 2721.68,269.4 v1(2759.42,269.4)
VBUS1: D2.1 USB1.1 | length 161.8
  Top Layer w10: v5(2947.83,219.49) 2976.38,248.03 USB1.1@2985.24,248.03 2985.24,243.11 2961.61,219.49 v5(2947.83,219.49)
  Bottom Layer w20: D2.1@2899.61,249.02 2918.31,249.02 v5(2947.83,219.49)
VCC: D2.2 F1.1 P3.9 P3.15 | length 3092.1
  Top Layer w20: v5(2872.05,1880.91) 2881.89,1880.91 2899.61,1863.19 v5(2899.61,996.06)
  Bottom Layer w20: P3.15@1526.61,1997.05 1576.81,1946.85 1822.83,1946.85 ; P3.9@1826.61,1997.05 1826.61,1950.63 1822.83,1946.85 ; F1.1@2797.24,1883.86 v5@2869.09,1883.86 ; F1.1@2799.21,1880.91 F1.1@2799.21,1883.86 ; F1.1@2814.96,1883.86 2814.96,1950.79 2762.8,2002.95 2312.99,2002.95 2298.23,1988.19 2298.23,1954.72 2290.35,1946.85 1822.83,1946.85 ; D2.2@2899.61,373.03 v5(2899.61,996.06)
pads on no net: P3.1 P6.37 P6.38 P7.37 P7.38 P8.37 P8.38 P9.37 P9.38 SD*2.0 U3.A2 U3.A5 U3.B3 U3.B4 U3.H3 U3.H4 U3.J2 U3.J5 U4.E3 U4.H6 USB1.0 USB1.4 USB1.6 USB1.7 XTAL1.1

## Polygon pours and split planes (outlines as drawn)
GND on GROUND PLANE (split plane): 3179.9,20.1 20.1,20.1 20.1,2079.9 3179.9,2079.9
GND on GROUND PLANE 2 (split plane): 3179.9,20.1 20.1,20.1 20.1,2079.9 3179.9,2079.9

## Keep-outs
Keep-Out Layer:
  lines w10: 0,42.32 ccw(c42.32,42.32) 42.32,0 3158.46,0 ccw(c3158.46,41.54) 3200,41.54 3200,2053.94 ccw(c3153.94,2053.94) 3153.94,2100 50.79,2100 ccw(c50.79,2049.21) 0,2049.21 0,42.32

## Silkscreen, mask and mechanical layers (free items; w line width, h text height)
Top Overlay:
  drawing of 2133 lines, arcs and shapes, not listed
  text "GND" at 2357.28,2044.29 h20
  text "A13" at 2934.06,1967.52 h39.37 r90
  text "A14" at 2893.7,1964.57 h39.37 r90
  text ">" at 1415.35,1851.38 h30 r270
  text "A16" at 2849.41,1850.39 h39.37 r90
  text "A12" at 2934.48,1850.39 h39.37 r90
  text "10uF" at 2626.97,1829.72 h30 r180
  text "+" at 2652.56,1822.83 h20 r270
  text "NC" at 2207.68,1815.94 h30
  text "3.3V" at 2106.3,1814.96 h30
  text "RST" at 2005.91,1813.98 h30
  text "GND" at 1596.46,1812.99 h30
  text "VCC" at 1802.17,1812.99 h30
  text "3.3V" at 1904.53,1812.99 h30
  text "VCC" at 1496.06,1812.01 h30
  text "GND" at 1698.82,1811.02 h30
  text "RST" at 2387.8,1804.13 h20 r270
  text "人民满意，世人仰慕！" at 156.5,1792.32 h30
  text "A27" at 1099.41,1789.37 h39.37
  text "A25" at 1197.83,1789.37 h39.37
  text "A19" at 1299.21,1787.4 h39.37
  text "B3" at 799.21,1786.42 h39.37
  text "B1" at 906.5,1786.42 h39.37
  text "A29" at 996.06,1786.42 h39.37
  text "A17" at 2893.7,1749.02 h39.37 r90
  text "A11" at 2934.48,1747.05 h39.37 r90
  text "A7" at 2104.05,1721.57 h39.37
  text "A13" at 1494.09,1721.46 h39.37
  text "A12" at 1595.75,1721.46 h39.37
  text "A11" at 1697.41,1721.46 h39.37
  text "A10" at 1799.07,1721.46 h39.37
  text "A9" at 1900.73,1721.46 h39.37
  text "A8" at 2002.39,1721.46 h39.37
  text "A6" at 2205.71,1721.46 h39.37
  text "A26" at 1198.82,1720.47 h39.37
  text "A24" at 1300.2,1720.47 h39.37
  text "B4" at 799.21,1719.49 h39.37
  text "B2" at 905.51,1719.49 h39.37
  text "B0" at 1007.87,1719.49 h39.37
  text "A28" at 1102.36,1719.49 h39.37
  text "A5" at 2934.06,1669.29 h39.37 r90
  text "A15" at 2893.28,1661.42 h39.37 r90
  text ">" at 2799.21,1660.43 h30
  text "470P" at 2545.28,1597.44 h20 r90
  text "GND" at 2910.43,1570.87 h39.37 r90
  text "3.3V" at 2678.15,1542.32 h20 r90
  text "F" at 2807.09,1490.16 h30 r90
  text "104" at 194.88,1482.28 h20
  text "3.3V" at 2909.45,1462.6 h39.37 r90
  text "3.3V" at 2815.94,1385.83 h20 r180
  text "+" at 2686.02,1370.08 h20 r90
  text "2.2uF" at 2581.69,1354.33 h30
  text "3.3V" at 3131.89,743.11 h30 r270
  text "通用平台V1.1" at 62.99,394.68 h39.37 r270
  text "D8" at 807.09,318.9 h39.37
  text "D10" at 905.79,318.9 h39.37
  text "D12" at 1004.5,318.9 h39.37
  text "D14" at 1103.21,318.9 h39.37
  text "E6" at 1201.91,318.9 h39.37
  text "E8" at 1300.62,318.9 h39.37
  text "E10" at 1399.32,318.9 h39.37
  text "E12" at 1498.03,318.9 h39.37
  text "ADC" at 1948.82,318.9 h39.37
  text "E25" at 2353.35,318.9 h39.37
  text "E26" at 2450.79,318.9 h39.37
  text "E28" at 2561.02,318.9 h39.37
  text "ADC" at 1655.51,289.37 h39.37
  text "ADC" at 1758.86,289.37 h39.37
  text "ADC" at 1855.31,289.37 h39.37
  text "ADC" at 2051.18,289.37 h39.37
  text "ADC" at 2157.48,289.37 h39.37
  text "DAC" at 2251.97,289.37 h39.37
  text "GND" at 335.63,277.56 h39.37 r90
  text "E0" at 218.5,276.57 h39.37
  text "E3" at 437.01,276.57 h39.37
  text "E5" at 523.62,276.57 h39.37
  text "E1" at 261.81,276.15 h39.37
  text "E2" at 351.38,276.15 h39.37
  text "E4" at 480.32,276.15 h39.37
  text "0R" at 2831.69,275.59 h20 r90
  text "3.3V" at 424.21,274.61 h39.37 r90
  text "D7" at 807.09,262.8 h39.37
  text "D9" at 906.21,263.22 h39.37
  text "D11" at 1005.34,262.8 h39.37
  text "D13" at 1104.47,263.22 h39.37
  text "D15" at 1203.6,263.22 h39.37
  text "E7" at 1302.73,262.8 h39.37
  text "E9" at 1401.86,263.22 h39.37
  text "E11" at 1500.98,262.8 h39.37
  text "GND" at 1947.83,263.22 h39.37
  text "E24" at 2354.33,262.8 h39.37
  text "GND" at 2447.83,263.22 h39.37
  text "E27" at 2562.01,262.8 h39.37
Bottom Overlay:
  lines w5: 440.94,1042.32 525.59,1042.32 ; 441.93,990.16 522.64,990.16 ; 444.88,1099.41 526.57,1099.41
  text "104" at 2307.09,1937.01 h20 r270
  text "10k" at 1394.68,1928.15 h30 r90
  text "10K" at 2307.09,1884.84 h20 r270
  text "F" at 2822.83,1829.72 h30 r90
  text "1.5K" at 2824.8,1695.87 h20
  text "10K" at 371.06,1394.69 h20 r270
  text "GND" at 2093.5,1377.95 h20 r180
  text "104" at 652.56,1345.47 h20 r90
  text "104" at 1539.37,1254.92 h30 r270
  text "104" at 1816.93,1252.95 h30 r270
  text "104" at 647.64,1209.65 h20 r90
  text "104" at 2092.52,1175.2 h20
  text "FB" at 2209.65,1109.25 h20 r270
  text "104" at 499.02,1108.27 h20
  text "104" at 1574.8,1094.49 h30
  text "100R" at 747.05,1068.9 h20 r90
  text "10K" at 137.8,1051.18 h20
  text "103" at 2094.49,1049.21 h20
  text "12P" at 2094.49,1025.59 h20 r90
  text "12P" at 2164.37,1025.59 h20 r90
  text "1M" at 2109.25,1000 h20 r180
  text "10K" at 495.08,972.44 h20
  text "104" at 1574.8,841.54 h30
  text "0R" at 2168.31,809.06 h30 r90
  text "104" at 2145.67,705.71 h30
  text "104" at 1642.72,703.74 h30 r90
  text "10K" at 1878.94,698.82 h30 r90
  text "104" at 1766.73,696.85 h30 r90
  text "0R" at 2250.98,668.31 h30 r90
  text "FB" at 2012.8,666.34 h30 r90
  text "103" at 2147.64,576.77 h30
  text ">" at 2887.8,305.12 h39.37 r270
  text "104" at 367.13,99.41 h20 r270
  text "10K" at 176.18,80.71 h39.37 r270
  text "10K" at 589.57,80.71 h39.37 r270